# Altium PCB [CC2538] PCB v3.PcbDoc
Units mil, origin at the board's own origin, x right, y up, seen from the top; angles counter-clockwise.
Board outline 2370 x 2550 mil, 2 copper layers (Top Layer, Bottom Layer); 69 components, 89 nets, 278 pads, 114 vias.
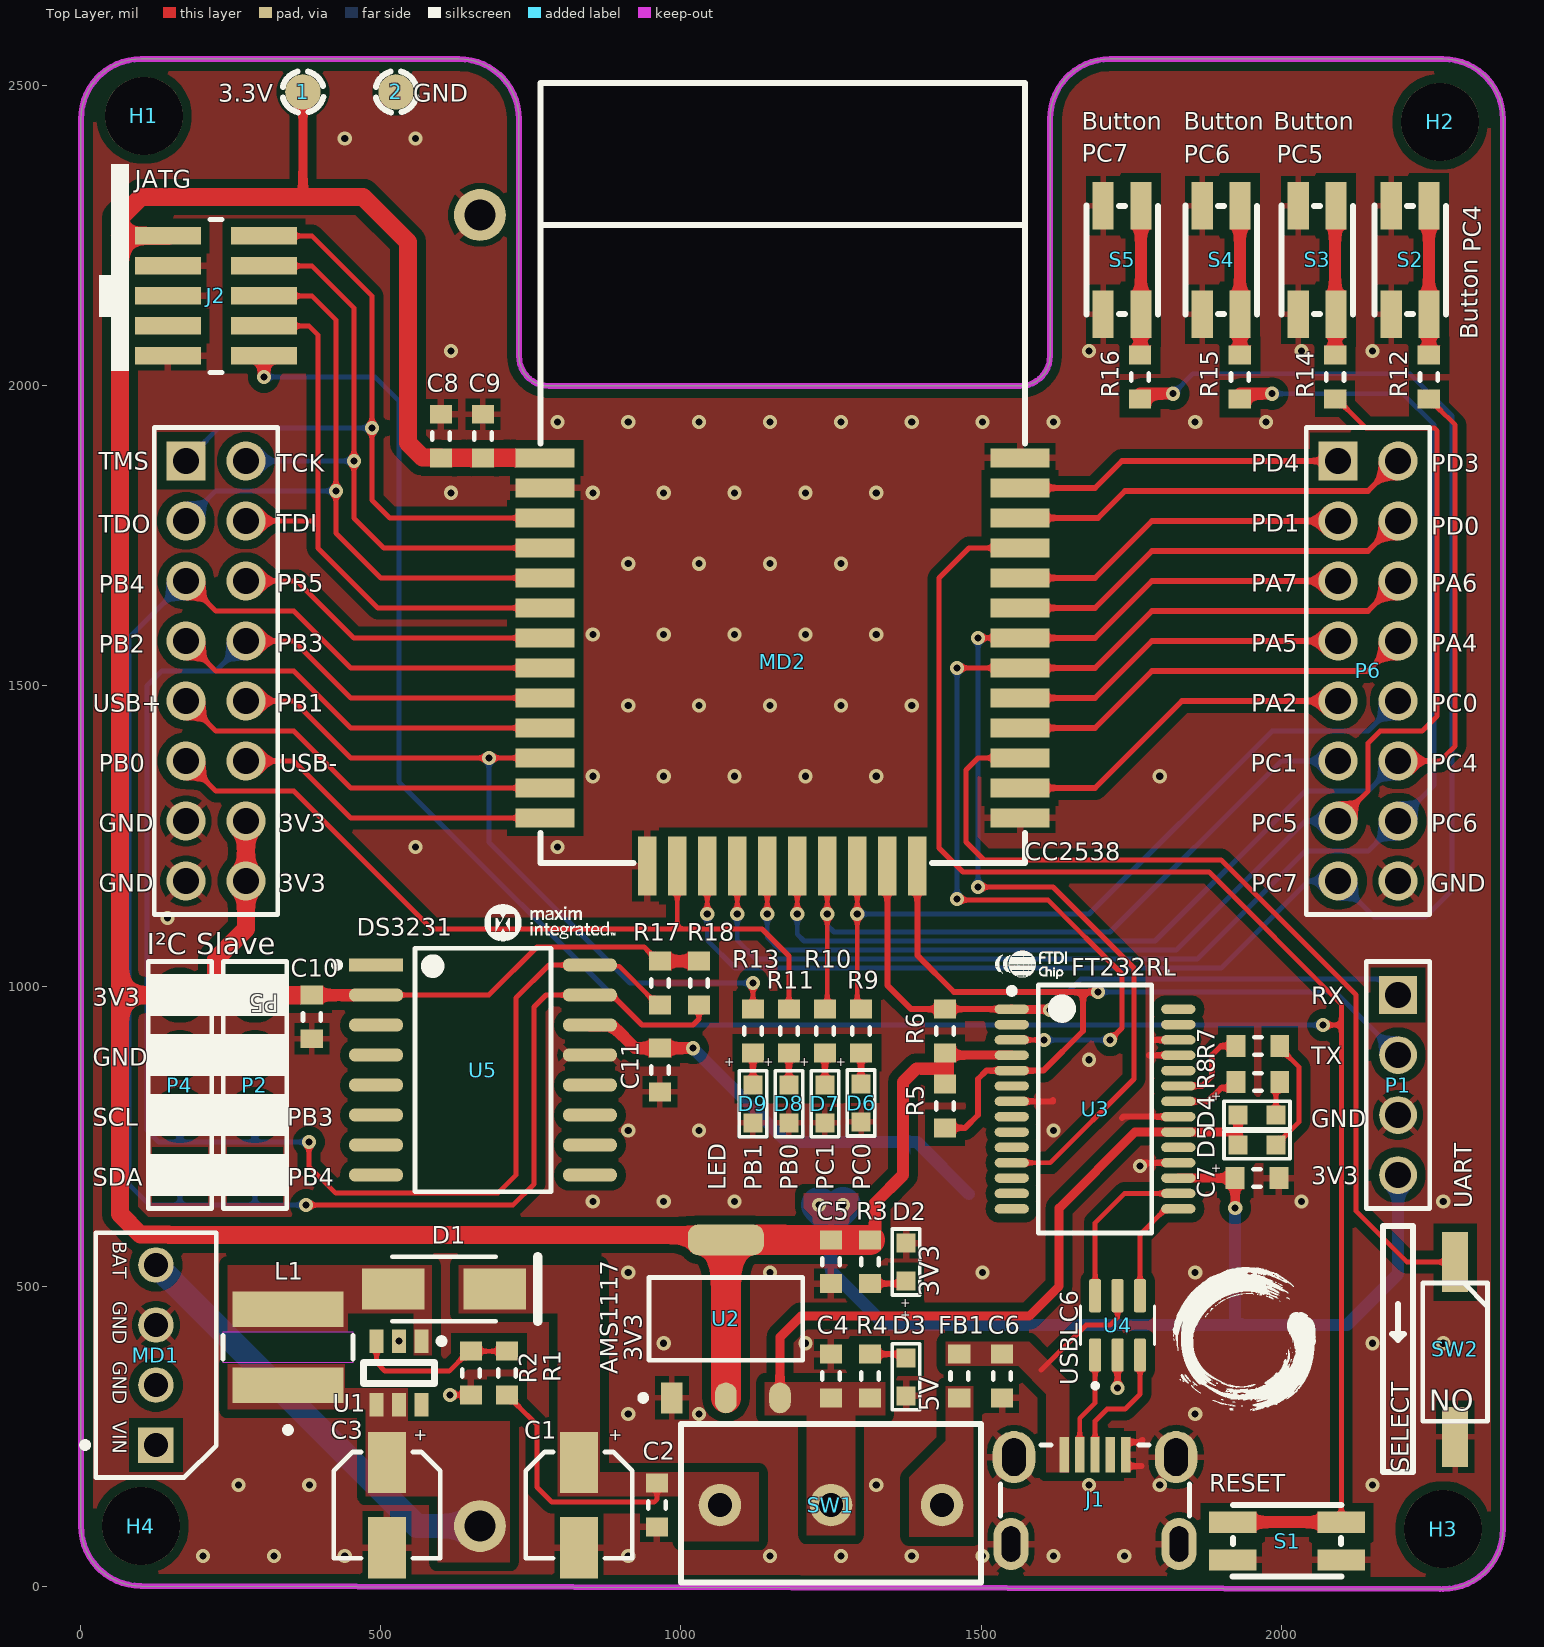
[diagram p0: Top Layer view]
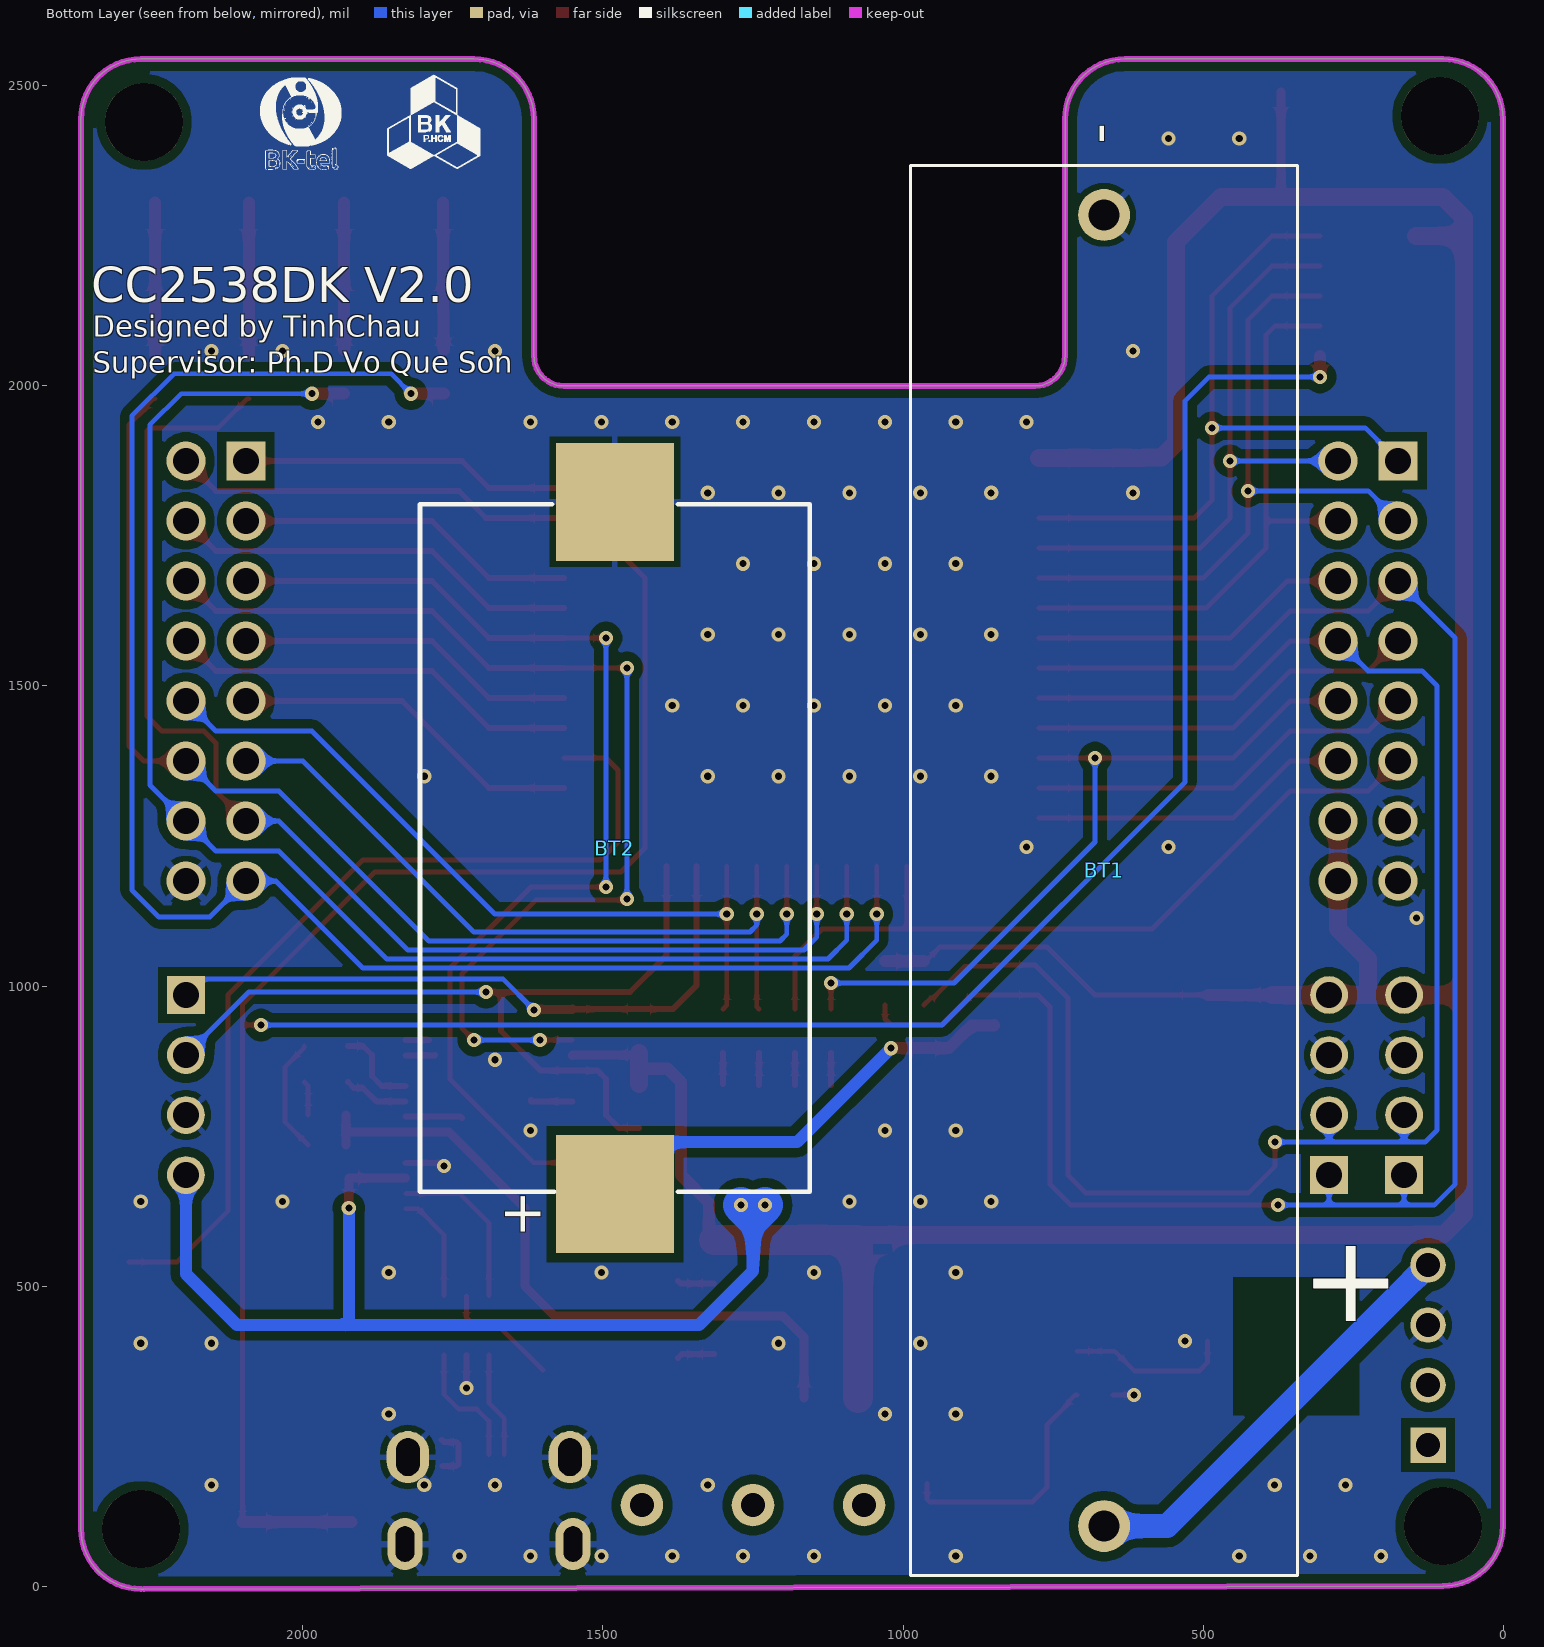
[diagram p1: Bottom Layer view, seen from below]
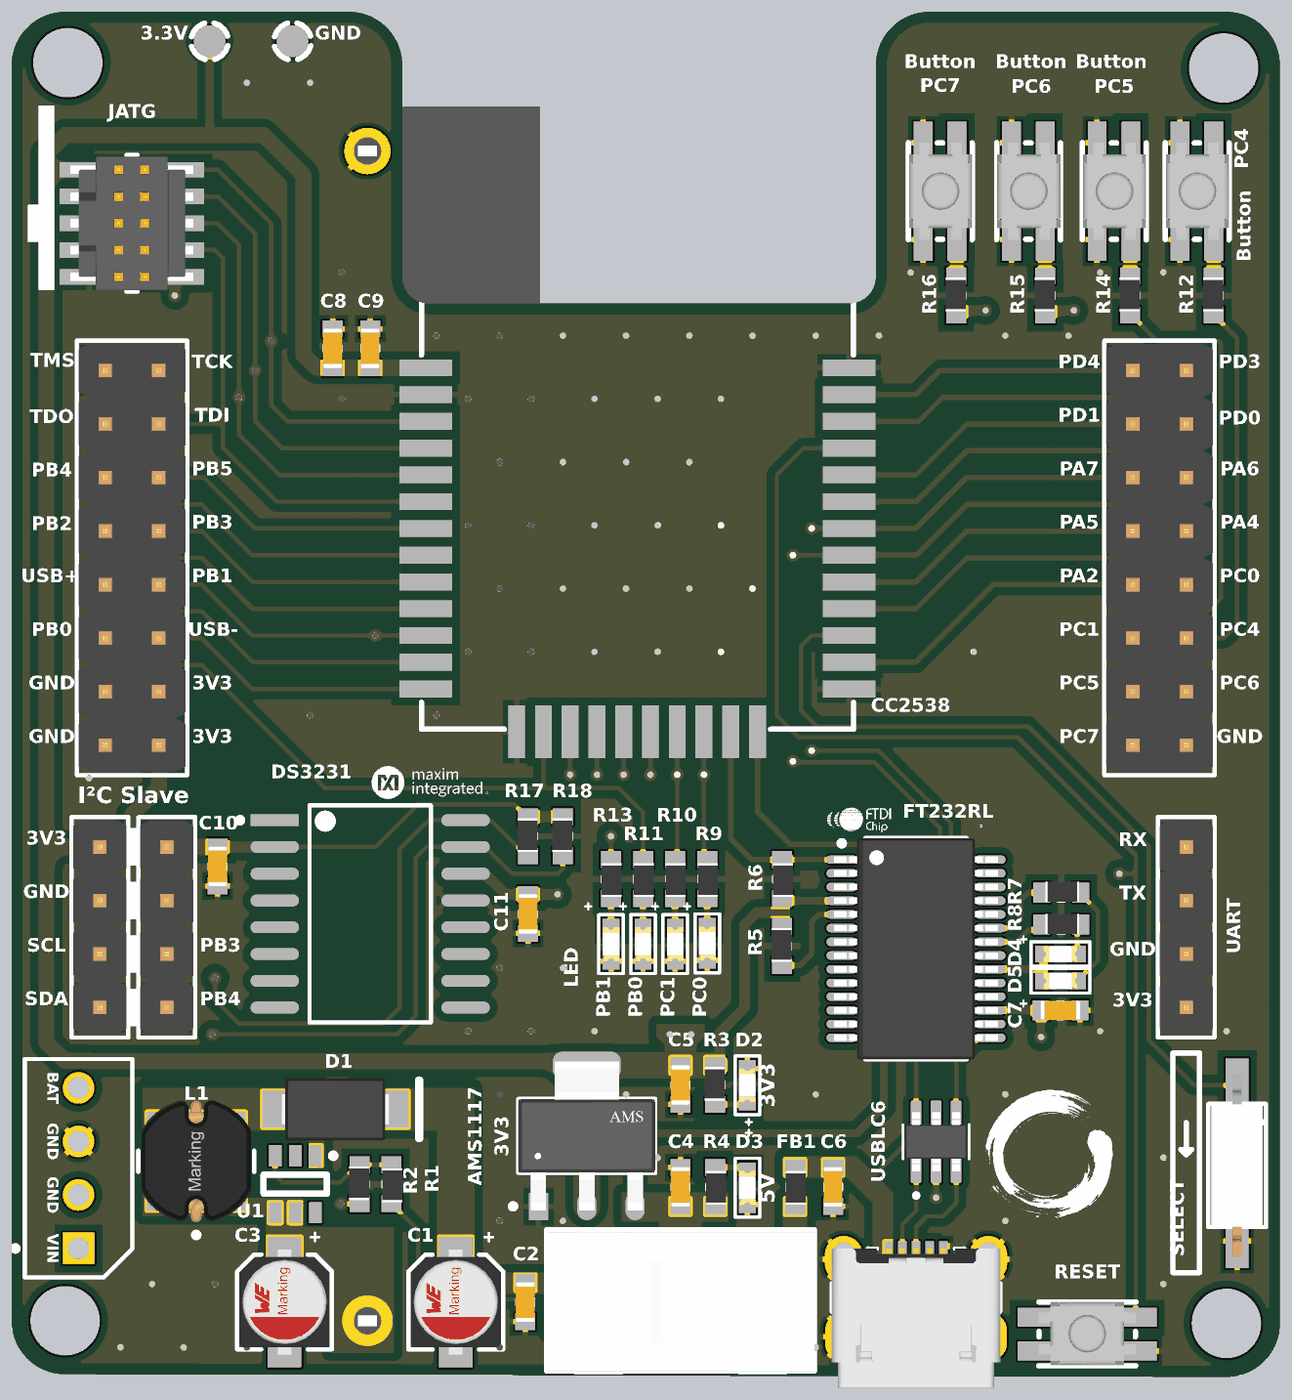
[diagram p2: 3D render of the assembled board from above, using the file's embedded part models]

## Layer stack, top to bottom
Top Solder: solder mask 0.4, Solder Resist, Dk 3.5
Top Layer: signal copper 1.4
Dielectric 1: dielectric 12.6, FR-4, Dk 4.8
Bottom Layer: signal copper 1.4
Bottom Solder: solder mask 0.4, Solder Resist, Dk 3.5

## Board outline
100,0 cw(c100,100) 0,100 0,2445 cw(c100,2445) 100,2545 630,2545 cw(c630,2445) 730,2445 730,2050 ccw(c780,2050) 780,2000 1565,2000 ccw(c1565,2050) 1615,2050 1615,2445 cw(c1715,2445) 1715,2545 2270,2545 cw(c2270,2445) 2370,2445 2370,95 cw(c2270,95) 2270,-5 2265,-5

## Design rules (kind name [scope] priority, off if disabled: settings)
Clearance Clearance_1 [InNamedPolygon('GND_L01_P008') Or InNamedPolygon('GND_L02_P007')] p1: gap=15 ignorepadtopadclearanceinfootprint=FALSE
Clearance [All] p2: gap=6 ignorepadtopadclearanceinfootprint=FALSE
PolygonConnect PolygonConnect_12 [All vs IsNamedPolygon('GND_L01_P008')] p1: connectstyle=Relief reliefconductorwidth=10 reliefentries=4 polygonreliefangle="90 Angle" conductorbypadedge=TRUE mindistance=15 enablemindistance=FALSE airgapwidth=10
PolygonConnect PolygonConnect_11 [All vs IsNamedPolygon('3V3_L01_P003')] p2: connectstyle=Relief reliefconductorwidth=10 reliefentries=4 polygonreliefangle="90 Angle" conductorbypadedge=TRUE mindistance=15 enablemindistance=FALSE airgapwidth=10
PolygonConnect PolygonConnect_10 [All vs IsNamedPolygon('GND_L02_P007')] p3: thpad.connectstyle=Relief thpad.reliefconductorwidth=10 thpad.reliefentries=4 thpad.polygonreliefangle="90 Angle" thpad.airgapwidth=10 thpad.conductorbypadedge=TRUE thpad.mindistance=15 thpad.enablemindistance=FALSE smdpad.connectstyle=Relief smdpad.reliefconductorwidth=10 smdpad.reliefentries=4 smdpad.polygonreliefangle="45 Angle" smdpad.airgapwidth=10 smdpad.conductorbypadedge=TRUE smdpad.mindistance=15 smdpad.enablemindistance=FALSE via.connectstyle=Direct via.reliefconductorwidth=10 via.reliefentries=4 via.polygonreliefangle="90 Angle" via.airgapwidth=10
PolygonConnect PolygonConnect_9 [All vs IsNamedPolygon('GND_L01_P008') Or IsNamedPolygon('GND_L02_P007')] p4: thpad.connectstyle=Relief thpad.reliefconductorwidth=15 thpad.reliefentries=4 thpad.polygonreliefangle="90 Angle" thpad.airgapwidth=10 smdpad.connectstyle=Relief smdpad.reliefconductorwidth=10 smdpad.reliefentries=4 smdpad.polygonreliefangle="90 Angle" smdpad.airgapwidth=10 via.connectstyle=Relief via.reliefconductorwidth=10 via.reliefentries=4 via.polygonreliefangle="90 Angle" via.airgapwidth=10
PolygonConnect PolygonConnect_8 [All vs IsNamedPolygon('3V3_L01_P003') Or IsNamedPolygon('5V_BAT_L01_P006') Or IsNamedPolygon('5V_L01_P002') Or IsNamedPolygon('5V_USB_L01_P000') Or IsNamedPolygon('NETD1_1_L01_P005') Or IsNamedPolygon('NETFB1_2_L01_P001') Or IsNamedPolygon('VBAT_L01_P004')] p5: thpad.connectstyle=Direct thpad.reliefconductorwidth=10 thpad.reliefentries=4 thpad.polygonreliefangle="90 Angle" thpad.airgapwidth=10 smdpad.connectstyle=Direct smdpad.reliefconductorwidth=10 smdpad.reliefentries=4 smdpad.polygonreliefangle="90 Angle" smdpad.airgapwidth=10 via.connectstyle=Relief via.reliefconductorwidth=10 via.reliefentries=4 via.polygonreliefangle="90 Angle" via.airgapwidth=10
PolygonConnect PolygonConnect_7 [All vs IsNamedPolygon('3V3_L01_P003')] p6: thpad.connectstyle=Direct thpad.reliefconductorwidth=10 thpad.reliefentries=4 thpad.polygonreliefangle="90 Angle" thpad.airgapwidth=10 smdpad.connectstyle=Direct smdpad.reliefconductorwidth=10 smdpad.reliefentries=4 smdpad.polygonreliefangle="90 Angle" smdpad.airgapwidth=10 via.connectstyle=Relief via.reliefconductorwidth=10 via.reliefentries=4 via.polygonreliefangle="90 Angle" via.airgapwidth=10
PolygonConnect PolygonConnect_6 [All vs IsNamedPolygon('3V3_L01_P003')] p7: connectstyle=Relief reliefconductorwidth=10 reliefentries=4 polygonreliefangle="90 Angle" airgapwidth=10
PolygonConnect PolygonConnect_5 [All vs IsNamedPolygon('3V3_L01_P003')] p8: thpad.connectstyle=Direct thpad.reliefconductorwidth=10 thpad.reliefentries=4 thpad.polygonreliefangle="90 Angle" thpad.airgapwidth=10 smdpad.connectstyle=Direct smdpad.reliefconductorwidth=10 smdpad.reliefentries=4 smdpad.polygonreliefangle="90 Angle" smdpad.airgapwidth=10 via.connectstyle=Relief via.reliefconductorwidth=10 via.reliefentries=4 via.polygonreliefangle="90 Angle" via.airgapwidth=10
PolygonConnect PolygonConnect_4 [All vs IsNamedPolygon('3V3_L01_P003')] p9: thpad.connectstyle=Direct thpad.reliefconductorwidth=10 thpad.reliefentries=4 thpad.polygonreliefangle="90 Angle" thpad.airgapwidth=10 smdpad.connectstyle=Direct smdpad.reliefconductorwidth=10 smdpad.reliefentries=4 smdpad.polygonreliefangle="90 Angle" smdpad.airgapwidth=10 via.connectstyle=Relief via.reliefconductorwidth=10 via.reliefentries=4 via.polygonreliefangle="90 Angle" via.airgapwidth=10
PolygonConnect PolygonConnect_3 [All vs IsNamedPolygon('5V_L01_P002')] p10: thpad.connectstyle=Direct thpad.reliefconductorwidth=10 thpad.reliefentries=4 thpad.polygonreliefangle="90 Angle" thpad.airgapwidth=10 smdpad.connectstyle=Direct smdpad.reliefconductorwidth=10 smdpad.reliefentries=4 smdpad.polygonreliefangle="90 Angle" smdpad.airgapwidth=10 via.connectstyle=Relief via.reliefconductorwidth=10 via.reliefentries=4 via.polygonreliefangle="90 Angle" via.airgapwidth=10
PolygonConnect PolygonConnect_2 [All vs IsNamedPolygon('NETFB1_2_L01_P001')] p11: thpad.connectstyle=Direct thpad.reliefconductorwidth=10 thpad.reliefentries=4 thpad.polygonreliefangle="90 Angle" thpad.airgapwidth=10 smdpad.connectstyle=Direct smdpad.reliefconductorwidth=10 smdpad.reliefentries=4 smdpad.polygonreliefangle="90 Angle" smdpad.airgapwidth=10 via.connectstyle=Relief via.reliefconductorwidth=10 via.reliefentries=4 via.polygonreliefangle="90 Angle" via.airgapwidth=10
PolygonConnect PolygonConnect_1 [All vs IsNamedPolygon('5V_USB_L01_P000')] p12: thpad.connectstyle=Direct thpad.reliefconductorwidth=10 thpad.reliefentries=4 thpad.polygonreliefangle="90 Angle" thpad.airgapwidth=10 smdpad.connectstyle=Direct smdpad.reliefconductorwidth=10 smdpad.reliefentries=4 smdpad.polygonreliefangle="90 Angle" smdpad.airgapwidth=10 via.connectstyle=Relief via.reliefconductorwidth=10 via.reliefentries=4 via.polygonreliefangle="90 Angle" via.airgapwidth=10
PolygonConnect [All] p13: connectstyle=Relief reliefconductorwidth=10 reliefentries=4 polygonreliefangle="90 Angle" airgapwidth=10
RoutingVias [All] p1: holewidth=28 width=50 viastyle="Through Hole" minholewidth=28 minwidth=50 maxholewidth=28 maxwidth=50
SolderMaskExpansion [All] p1: expansion=4 istentingtop=FALSE
Width [All] p1: maxlimit=60 minlimit=8 preferedwidth=10
30 further rules are at their usual default settings.

## Classes and differential pairs
component class "[CC2538] RTC": BT2 C10 C11 R17 R18 U5
component class "[CC2538] Power Circuit": BT1 C1 C2 C3 C4 C5 D1 D2 D3 FB1 L1 MD1 R1 R2 R3 R4 SW1 U1 U2
component class "[CC2538] MCU": 1 2 C8 C9 D6 D7 D8 D9 H1 H2 H3 H4 J2 MD2 P1 P2 P4 P5 P6 R9 R10 R11 R12 R13 R14 R15 R16 S1 S2 S3 S4 S5 SW2
component class "[CC2538] Flashing - FTDI": C6 C7 D4 D5 J1 R5 R6 R7 R8 U3 U4

## Components (designator, comment, footprint, x,y, rotation, side; value= is the part's Value field where it differs from the comment)
1 "Test point 1.5mm" "Test point 1.5mm-Footprint-1" 370,2490 r90 top
2 "Test point 1.5mm" "Test point 1.5mm-Footprint-1" 525,2490 r90 top
BT1 "BCAAPC" BCAAC 660,1202.52 r270 bottom
BT2 "BU2032SM-BT-GTR" FP-BU2032SM-BT-GTR-MFG 1480,1230 r90 bottom
C1 "865080340003" WCAP-ASLI_D4H5.5 830,135 r90 top value=22µF
C2 "0106031051016" CAP_0603 960,135 r90 top value=1µF
C3 "865080340003" WCAP-ASLI_D4H5.5 510,135 r90 top value=22µF
C4 "0106031061010" CAP_0603 1250,350 r270 top value=10µF
C5 "0106031061010" CAP_0603 1250,540.55 r90 top value=10µF
C6 "0106031041050" CAP_0603 1535,350 r90 top value=100nF
C7 "0106031041050" CAP_0603 1960,680 r180 top value=100nF
C8 "0106031051016" CAP_0603 600,1916.42 r270 top value=1µF
C9 "0106031041050" CAP_0603 670,1916.42 r270 top value=100nF
C10 "0106031051016" CAP_0603 385,948.58 r90 top value=1µF
C11 "0106031051016" CAP_0603 965,860 r90 top value=1µF
D1 "SS210" SS210-Footprint-SMA 605,495 r0 top
D2 "160603GreenBlur" WL-SMCW_0603_H=0.7mm#1 1375,540 r270 top value="Green, 3.2V"
D3 "160603GreenBlur" WL-SMCW_0603_H=0.7mm#1 1375,348.5 r90 top value="Green, 3.2V"
D4 "160603GreenBlur" WL-SMCW_0603_H=0.7mm#1 1960,785 r180 top value="Green, 3.2V"
D5 "160603GreenBlur" WL-SMCW_0603_H=0.7mm#1 1960,735 r180 top value="Green, 3.2V"
D6 "160603RedClear" WL-SMCW_0603_H=0.7mm#1 1300,805 r90 top value="Red, 2V"
D7 "160603YellowClear" WL-SMCW_0603_H=0.7mm#1 1240,803.5 r90 top value="Yellow, 2V"
D8 "160603GreenClear" WL-SMCW_0603_H=0.7mm#1 1180,803.5 r90 top value="Green, 3.2V"
D9 "160610OrangeClear" WL-SMCW_0603_H=0.7mm#2 1120.32,803.5 r90 top
FB1 "CBG160808U601T" CBG160808U601T-Footprint 1464,350 r270 top
H1 "Tooling Hole 3mm" 3mm 105,2450 r0 top
H2 "Tooling Hole 3mm" 3mm 2265,2440 r0 top
H3 "Tooling Hole 3mm" 3mm 2270,95 r0 top
H4 "Tooling Hole 3mm" 3mm 100,100 r0 top
J1 "629105150521" 629105150521 1690,105 r0 top
J2 "FTSH-105-01-L-DV-K-P-TR" FP-FTSH-105-01-L-DV-K-P-T-MFG 224.88,2150 r270 top
L1 "78477410" "WE-PD2A_4D28 (4730)" 345,397.99 r90 top
MD1 "LI-ION_BATT_CHARGER_CN3791" LI-ION_BATT_CHARGER_CN3791-Footprint-1 125,385 r270 top
MD2 "WAVGAT-CC2538-CC2592" WAVGAT-CC2538-CC2592-Footprint 765.79,1205 r0 top
P1 "61300411121" 61300411121 2195,835 r270 top value="3A, 250 V (AC)"
P2 "61300411121" 61300411121 290,835 r90 top value="3A, 250 V (AC)"
P4 "61300411121" 61300411121 165,835 r90 top value="3A, 250 V (AC)"
P5 "61301621121" 61301621121 225,1525 r270 top value="3A, 250 V (AC)"
P6 "61301621121" 61301621121 2145,1525 r270 top value="3A, 250 V (AC)"
R1 "0006032231" RES_0603 710,355 r270 top value=22k
R2 "0006033121" RES_0603 650,355 r90 top value=3.1k
R3 "0006031021" RES_0603 1315,540.55 r90 top value=1k
R4 "0006031021" RES_0603 1315,350 r270 top value=1k
R5 "0006031031" RES_0603 1440,800 r90 top value=10k
R6 "0006031031" RES_0603 1440,925 r270 top value=10k
R7 "0006031021" RES_0603 1961.42,900 r0 top value=1k
R8 "0006031021" RES_0603 1961.42,840 r0 top value=1k
R9 "0006031021" RES_0603 1300,925 r270 top value=1k
R10 "0006031021" RES_0603 1240,925 r270 top value=1k
R11 "0006031021" RES_0603 1180,925 r270 top value=1k
R12 "0006031025" RES_0603 2246.5,2015 r90 top value=1k
R13 "0006031021" RES_0603 1120,925 r270 top value=1k
R14 "0006031025" RES_0603 2090,2015 r90 top value=1k
R15 "0006031025" RES_0603 1931.5,2015 r90 top value=1k
R16 "0006031025" RES_0603 1765,2015 r90 top value=1k
R17 "0006034721" RES_0603 965,1005 r90 top value=4.7k
R18 "0006034721" RES_0603 1030,1005 r90 top value=4.7k
S1 "Tactile Switch-3x4x2.5" "Tactile Switch-3x4x2.5 Footprint" 2010,75 r0 top
S2 "Tactile Switch-3x4x2.5" "Tactile Switch-3x4x2.5 Footprint" 2215,2210 r270 top
S3 "Tactile Switch-3x4x2.5" "Tactile Switch-3x4x2.5 Footprint" 2060,2210 r270 top
S4 "Tactile Switch-3x4x2.5" "Tactile Switch-3x4x2.5 Footprint" 1900,2210 r270 top
S5 "Tactile Switch-3x4x2.5" "Tactile Switch-3x4x2.5 Footprint" 1735,2210 r270 top
SW1 "SS-12D06G5" SS-12D06G5-Footprint 1250,135 r180 top
SW2 "Dip Switch 1 2.54" "Dip Switch 1 2.54-Footprint-1" 2290,390 r180 top
U1 "MT3608" SOT95P280X145-6N 530,355 r270 top
U2 "AMS1117-3.3" FP-AMS1117-IPC_B 1074.84,445.28 r90 top
U3 "FT232RL-REEL" FTDI-SSOP-28_L 1690,795 r0 top
U4 "USBLC6-2SC6" USBLC6-2SC6-Footprint-1 1727.6,434.41 r90 top
U5 "DS3231M+" FP-W16MK-1-IPC_B 670,860 r0 top

## Footprints (in the part's own frame and the unit in brackets; to place one, negate y for a bottom-side part, rotate by r counter-clockwise, add the part's x,y. Pads: shape width x height; smd on the part's side, far side on the other; paste and mask are expansions set on the pad)
3mm [mm]
  round 3.3 hole 3.3 unplated: 0(0,0)
61300411121 [mm] "Pin Header, pitch 2.54 mm, THT, Vertical, single row, 4p"
  rect 1.6x1.6 hole 1.1: 1(-3.81,0)
  round 1.6 hole 1.1: 2(-1.27,0) 3(1.27,0) 4(3.81,0)
  silkscreen extent -5.23,-1.35 5.23,1.35, body extent -5.08,-1.27 5.08,1.27, height 8.57
61301621121 [mm] "Pin Header, pitch 2.54 mm, THT, Vertical, dual row, 16p"
  rect 1.65x1.65 hole 1.1: 1(-8.89,-1.27)
  round 1.65 hole 1.1: 2(-8.89,1.27) 3(-6.35,-1.27) 4(-6.35,1.27) 5(-3.81,-1.27) 6(-3.81,1.27) 7(-1.27,-1.27) 8(-1.27,1.27) 9(1.27,-1.27) 10(1.27,1.27) 11(3.81,-1.27) 12(3.81,1.27) 13(6.35,-1.27) 14(6.35,1.27) 15(8.89,-1.27) 16(8.89,1.27)
  silkscreen extent -10.31,-2.62 10.31,2.62, body extent -10.16,-2.54 10.16,2.54, height 8.59
629105150521 [mm]
  rect 0.4x1.5 smd: 1(-1.3,2.9) 2(-0.65,2.9) 3(0,2.9) 4(0.65,2.9) 5(1.3,2.9)
  oval 1.5x2.2 hole 0.8 slot 1.5 at 90 deg: Shell(-3.556,-0.889) Shell(3.556,-0.889)
  oval 1.8x2.2 hole 1 slot 1.6 at 90 deg: Shell(-3.429,2.794) Shell(3.429,2.794)
  silkscreen extent -4,0.3 4,3.3, body extent -4,-3.3 4,3.3, height 2.75